# Altium PCB LM_002_TEST.PcbDoc
Units mil, origin at the board's own origin, x right, y up, seen from the top; angles counter-clockwise.
Board outline 4200 x 3600 mil, 2 copper layers (Top Layer, Bottom Layer); 17 components, 22 nets, 148 pads, 0 vias.
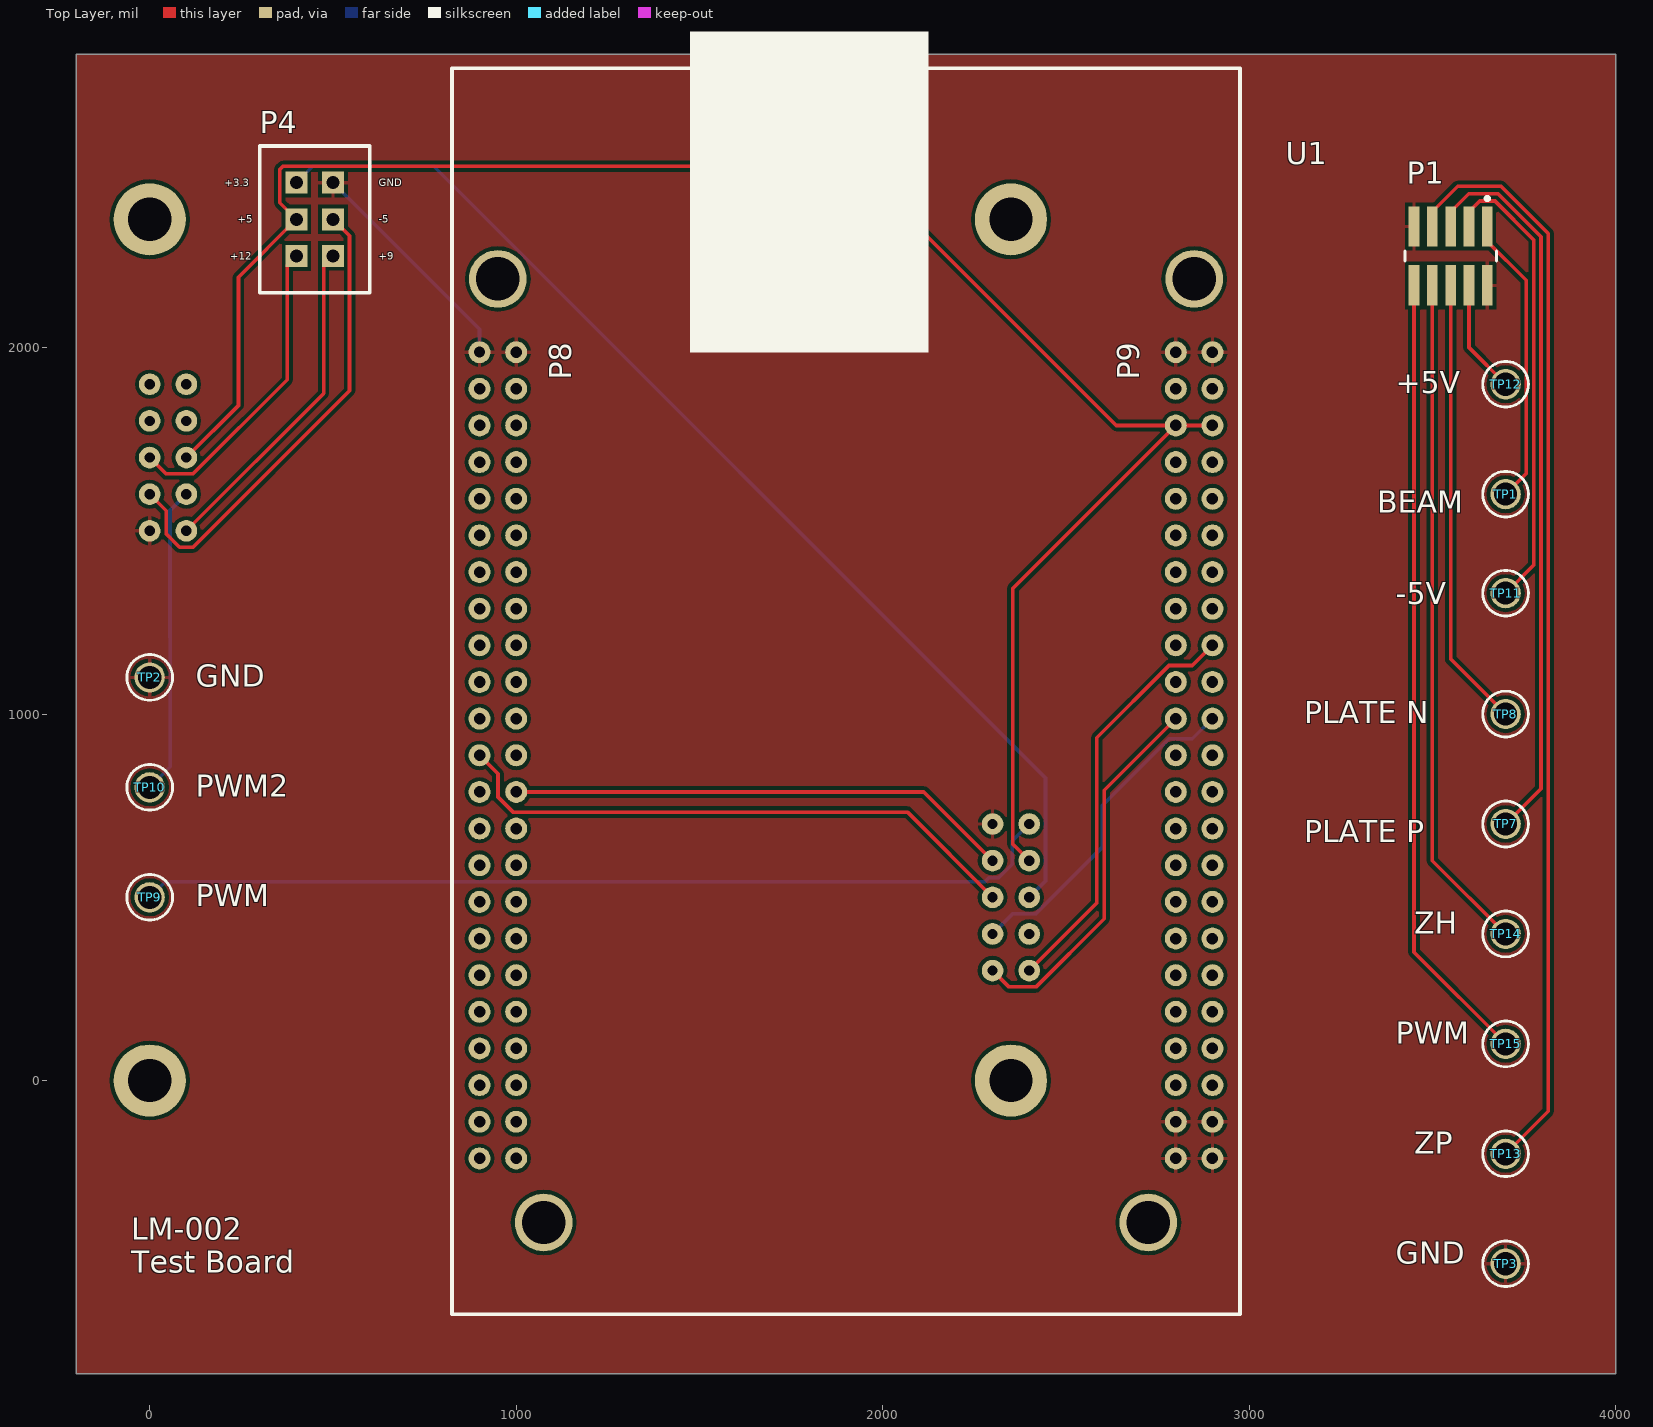
[diagram p0: Top Layer view]
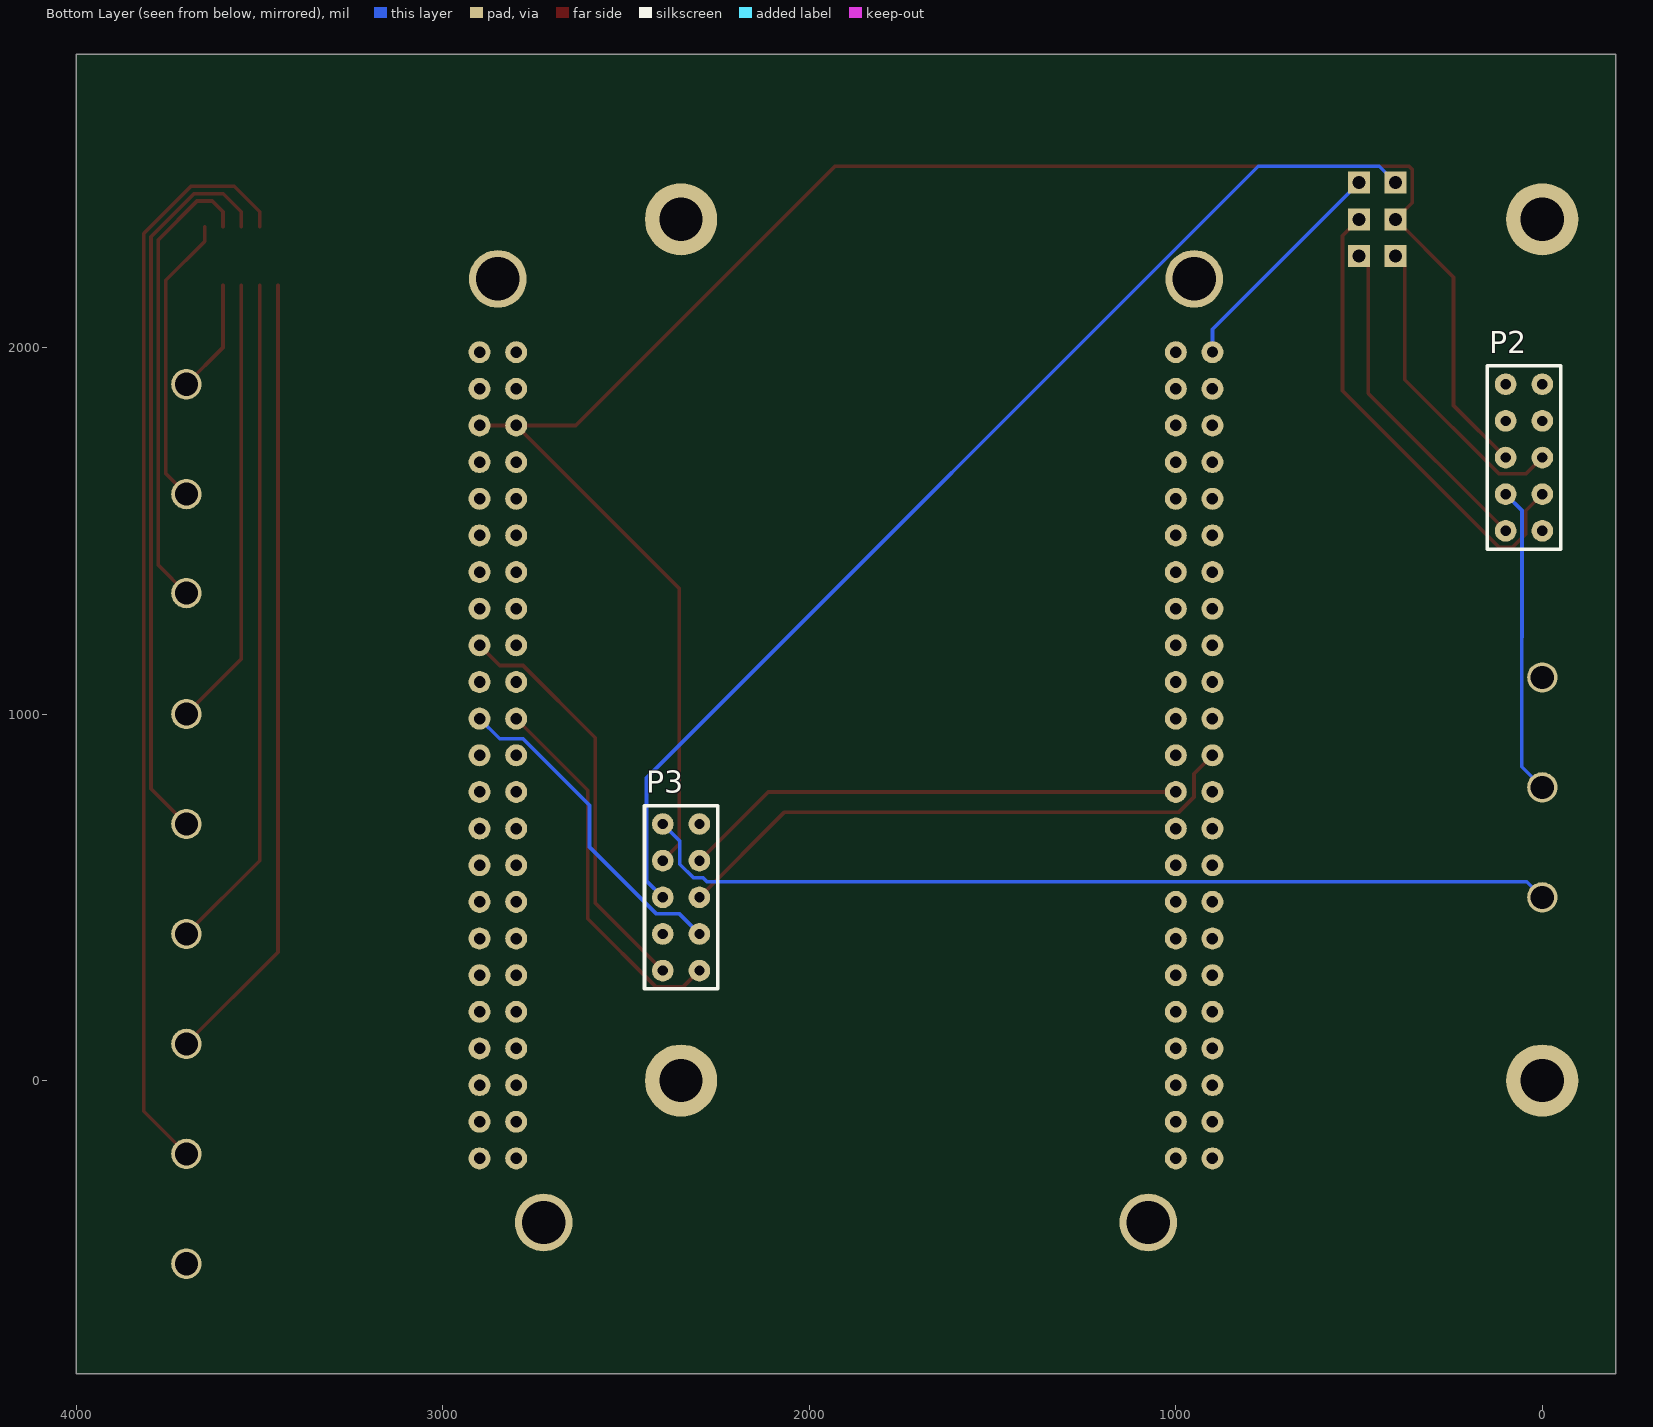
[diagram p1: Bottom Layer view, seen from below]

## Layer stack, top to bottom
Top Solder: solder mask 0.4, Solder Resist, Dk 3.5
Top Layer: signal copper 1.4
Dielectric 1: dielectric 12.6, FR-4, Dk 4.8
Bottom Layer: signal copper 1.4
Bottom Solder: solder mask 0.4, Solder Resist, Dk 3.5

## Board outline
-200,-800 4000,-800 4000,2800 -200,2800

## Design rules (kind name [scope] priority, off if disabled: settings)
Clearance [All] p1: gap=10 ignorepadtopadclearanceinfootprint=FALSE except(0: Arc-Hole Track-Hole SMDPad-Hole THPad-Hole Via-Hole Fill-Hole Poly-Hole Region-Hole Text-Hole)
HoleSize [All] p1: absolutevalues=TRUE maxlimit=500 minlimit=1 maxpercent=80.000 minpercent=20.000
PolygonConnect [All] p1: connectstyle=Relief reliefconductorwidth=10 reliefentries=4 polygonreliefangle="90 Angle" airgapwidth=10
RoutingVias [All] p1: holewidth=28 width=50 viastyle="Through Hole" minholewidth=28 minwidth=50 maxholewidth=28 maxwidth=50
SolderMaskExpansion [All] p1: expansion=4
Width [All] p1: maxlimit=10 minlimit=10 preferedwidth=10
29 further rules are at their usual default settings.

## Classes and differential pairs
component class Connectors: P1 P2 P3 P4 TP1 TP2 TP3 TP7 TP8 TP9 TP10 TP11 TP12 TP13 TP14 TP15
component class BBB: U1

## Components (designator, comment, footprint, x,y, rotation, side; value= is the part's Value field where it differs from the comment)
P1 "FTSH-105-01-F-DV-K" SMTC-FTSH-105-01-L-DV-K_V 3550,2250 r180 top
P2 "SLW-105-01-G-D" SLW-105-01-G-D 100,1900 r270 bottom
P3 "SLW-105-01-G-D" SLW-105-01-G-D 2400,700 r270 bottom
P4 "IPL1-103-01-F-D" IPL1-103-01-F-D 500,2250 r90 top
TP1 "5011" KSTN-5011_V 3700,1600 r0 top
TP2 "5011" KSTN-5011_V 0,1100 r0 top
TP3 "5011" KSTN-5011_V 3700,-500 r0 top
TP7 "5011" KSTN-5011_V 3700,700 r0 top
TP8 "5011" KSTN-5011_V 3700,1000 r0 top
TP9 "5011" KSTN-5011_V 0,500 r0 top
TP10 "5011" KSTN-5011_V 0,800 r0 top
TP11 "5011" KSTN-5011_V 3700,1330 r0 top
TP12 "5011" KSTN-5011_V 3700,1900 r0 top
TP13 "5011" KSTN-5011_V 3700,-200 r0 top
TP14 "5011" KSTN-5011_V 3700,400 r0 top
TP15 "5011" KSTN-5011_V 3700,100 r0 top
U1 "BBB" "Beaglebone Black" 1900,900 r0 top

## Footprints (in the part's own frame and the unit in brackets; to place one, negate y for a bottom-side part, rotate by r counter-clockwise, add the part's x,y. Pads: shape width x height; smd on the part's side, far side on the other; paste and mask are expansions set on the pad)
"Beaglebone Black" [mil]
  round 60 hole 31.5: 8-1(-900,1087.5) 8-3(-900,987.5) 8-4(-1000,987.5) 8-5(-900,887.5) 8-6(-1000,887.5) 8-7(-900,787.5) 8-8(-1000,787.5) 8-9(-900,687.5) 8-10(-1000,687.5) 8-11(-900,587.5) 8-12(-1000,587.5) 8-13(-900,487.5) 8-14(-1000,487.5) 8-15(-900,387.5) 8-16(-1000,387.5) 8-17(-900,287.5) 8-18(-1000,287.5) 8-19(-900,187.5) 8-20(-1000,187.5) 8-21(-900,87.5) 8-22(-1000,87.5) 8-23(-900,-12.5) 8-24(-1000,-12.5) 8-25(-900,-112.5) 8-26(-1000,-112.5) 8-27(-900,-212.5) 8-28(-1000,-212.5) 8-29(-900,-312.5) 8-30(-1000,-312.5) 8-31(-900,-412.5) 8-32(-1000,-412.5) 8-33(-900,-512.5) 8-34(-1000,-512.5) 8-35(-900,-612.5) 8-36(-1000,-612.5) 8-37(-900,-712.5) 8-38(-1000,-712.5) 8-39(-900,-812.5) 8-40(-1000,-812.5) 8-41(-900,-912.5) 8-42(-1000,-912.5) 8-43(-900,-1012.5) 8-44(-1000,-1012.5) 8-45(-900,-1112.5) 8-46(-1000,-1112.5) 9-1(1000,1087.5) 9-2(900,1087.5) 9-3(1000,987.5) 9-4(900,987.5) 9-5(1000,887.5) 9-6(900,887.5) 9-7(1000,787.5) 9-8(900,787.5) 9-9(1000,687.5) 9-10(900,687.5) 9-11(1000,587.5) 9-12(900,587.5) 9-13(1000,487.5) 9-14(900,487.5) 9-15(1000,387.5) 9-16(900,387.5) 9-17(1000,287.5) 9-18(900,287.5) 9-19(1000,187.5) 9-20(900,187.5) 9-21(1000,87.5) 9-22(900,87.5) 9-23(1000,-12.5) 9-24(900,-12.5) 9-25(1000,-112.5) 9-26(900,-112.5) 9-27(1000,-212.5) 9-28(900,-212.5) 9-29(1000,-312.5) 9-30(900,-312.5) 9-31(1000,-412.5) 9-32(900,-412.5) 9-33(1000,-512.5) 9-34(900,-512.5) 9-35(1000,-612.5) 9-36(900,-612.5) 9-37(1000,-712.5) 9-38(900,-712.5) 9-39(1000,-812.5) 9-40(900,-812.5) 9-41(1000,-912.5) 9-42(900,-912.5) 9-43(1000,-1012.5) 9-44(900,-1012.5) 9-45(1000,-1112.5) 9-46(900,-1112.5)
  round 60 hole 30 paste+0: 8-2(-1000,1087.5)
  round 157.48 hole 118.11 paste+0: ""(-950,1287.5)
  round 157.48 hole 118.11: ""(-825,-1287.5) ""(825,-1287.5) ""(950,1287.5)
  silkscreen extent -1075,-1538 1075,1962, body extent -1078,-1599 1074,1962, height 493
IPL1-103-01-F-D [mil]
  rect 60x60 hole 35.43: 1(0,0) 2(0,100) 3(100,0) 4(100,100) 5(200,0) 6(200,100)
  silkscreen extent -100,-100 300,200, body extent -100,-100 280,210, height 320
KSTN-5011_V [mm] "Test Point, Dia 3.17mm"
  round 2.1 hole 1.6: 1(0,0)
  silkscreen extent -1.59,-1.58 1.59,1.58, body extent -1.59,-1.59 1.59,1.59, height 8.13
SLW-105-01-G-D [mm]
  round 1.5 hole 0.71: 1(0,0) 2(0,2.54) 3(2.54,0) 4(2.54,2.54) 5(5.08,0) 6(5.08,2.54) 7(7.62,0) 8(7.62,2.54) 9(10.16,0) 10(10.16,2.54)
  silkscreen extent -1.27,-1.27 11.43,3.81, body extent -1.27,-1.27 11.43,3.68, height 4.57
SMTC-FTSH-105-01-L-DV-K_V [mm] "CONN, 10-Leads, Body 6.35x3.43mm, Pitch 1.27mm"
  rect 0.74x2.79 smd: 1(-2.54,-2.035) 2(-2.54,2.035) 3(-1.27,-2.035) 4(-1.27,2.035) 5(0,-2.035) 6(0,2.035) 7(1.27,-2.035) 8(1.27,2.035) 9(2.54,-2.035) 10(2.54,2.035)
  silkscreen extent -3.17,-4.1 3.17,0.34, body extent -3.17,-2.92 3.18,2.92, height 6.12

## Part data
P1: library part CMP-2000-05352-1, "Male Header, Pitch 1.27 mm, 2 x 5 Position, Height 6.12 mm, RoHS, Tube", Color=Black, Manufacturer=Samtec, Package Description="Male Header, Pitch 1.27 mm, 2 x 5 Position, Height 5.97 mm, Tail Length 4.32 mm", Package Reference=FTSH-105-01-L-DV-K, Category=Connectors,Interconnects, Connector Type=Header,Shrouded, Contact Finish=Gold, Contact Finish Thickness=3µin(0.08µm), Contact Type=MalePin, Datasheet URL=http://suddendocs.samtec.com/prints/ftsh-1xx-xx-xxx-dv-xxx-mkt.pdf, Datasheet Version="Rev. ET, 10/1995", Family=RectangularConnectors-Headers,MalePins, Fastening Type=-, Features=-, Manufacturer URL=http://www.samtec.com/, Mounting Type=SurfaceMount, Number of Positions=10, Number of Positions Loaded=All, Number of Rows=2, Package URL=http://suddendocs.samtec.com/prints/ftsh-1xx-xx-xxx-dv-xxx-footprint.pdf, Packaging=Tube, Series=FTSH, Termination=Solder
P2 P3: "CONN RCPT .100\" 10POS DUAL GOLD", Current Rating=-, Insulation Color=Black, Manufacturer="Samtec Inc.", Operating Temperature="-55°C ~ 125°C", Supplier Part Number 1=SAM1088-05-ND, Applications=-, Category="Connectors, Interconnects", ComponentLink1Description=http://suddendocs.samtec.com/prints/slw-1xx-01-x-x-mkt.pdf, ComponentLink1URL=http://suddendocs.samtec.com/prints/slw-1xx-01-x-x-mkt.pdf, Connector Type=Receptacle, Contact Finish - Mating=Gold, Contact Finish - Post=Gold, Contact Finish Thickness - Mating="20µin (0.51µm)", Contact Finish Thickness - Post="3µin (0.08µm)", Contact Length - Post="0.115\" (2.92mm)", Contact Material="Phosphor Bronze", Contact Shape=Square, Contact Type=Forked, Fastening Type=Push-Pull, Features=-, Ingress Protection=-, Insulation Height="0.180\" (4.57mm)", Insulation Material="Polyester, Glass Filled", Manufacturer Part Number=SLW-105-01-G-D, Mated Stacking Heights=6.09mm, Material Flammability Rating=-, Mounting Type="Through Hole", Number of Positions=10, Number of Positions Loaded=All, Packaging=Bulk, Part Status=Active, Pitch - Mating="0.100\" (2.54mm)", Pricing 1="1=3.8, 10=3.401, 100=2.8012, 500=2.2143, 1000=1.90084, 5000=1.7341, 10000=1.6674 (USD)", RoHS="RoHS Compliant", Row Spacing - Mating="0.100\" (2.54mm)", Stock 1=203, Style="Board to Board", Supplier 1=Digi-Key, Termination=Solder, Voltage Rating=-
P4: Supplier Part Number 1=51P2678, Supplier 1=Newark
TP1 TP2 TP3 TP7 TP8 TP9 TP10 TP11 TP12 TP13 TP14 TP15: library part CMP-1672-00003-4, "Test Point, Black, Through Hole, RoHS, Bulk", Colour=Black, Manufacturer=Keystone, Package Quantity=100, ComponentLink1Description="Manufacturer URL", ComponentLink1URL=http://www.keyelco.com/, ComponentLink2Description=Datasheet, ComponentLink2URL=http://www.keyelco.com/product-pdf.cfm?p=1320, Contact Material=Bronze, Contact Plating=Silver, DatasheetVersion="Rev. F, 12/2013", Height="8.12 mm", Mount="Through Hole", Mounting Technology="Through Hole", PackageDescription="1-Pin Through Hole Device, Dia 3.17 mm", PackageReference=5011, Packaging=Bulk, Pins=1, REACH SVHC="No SVHC", RoHSCompliant=true
U1: library part Beaglebone_Black, "Beaglebone Black", Current Rating=-, Insulation Color=Black, Manufacturer="Molex, LLC", Manufacturer Part Number=0010897462, Material Flammability Rating="UL94 V-0", Supplier Part Number 1=WM50012-46-ND, Applications="Automotive, General Purpose, Lighting, Medical, Telecommunications", Category="Connectors, Interconnects", ComponentLink1Description=http://www.molex.com/pdm_docs/sd/010897041_sd.pdf, ComponentLink1URL=http://www.molex.com/pdm_docs/sd/010897041_sd.pdf, Connector Type="Header, Breakaway", Contact Finish - Mating=Gold, Contact Finish - Post=Tin, Contact Finish Thickness - Mating="15µin (0.38µm)", Contact Finish Thickness - Post="74.8µin (1.90µm)", Contact Length - Mating="0.240\" (6.10mm)", Contact Length - Post="0.107\" (2.71mm)", Contact Material="Copper Alloy", Contact Shape=Square, Contact Type="Male Pin", Fastening Type=-, Features=-, Ingress Protection=-, Insulation Height="0.090\" (2.29mm)", Insulation Material="Liquid Crystal Polymer (LCP), Glass Filled", Mated Stacking Heights=-, Mounting Type="Through Hole", Number of Positions=46, Number of Positions Loaded=All, Number of Rows=2, Operating Temperature=-, Overall Contact Length="0.437\" (11.10mm)", Packaging=Bulk, Part Status=Active, Pitch - Mating="0.100\" (2.54mm)", Pricing 1="1=7.65, 10=7.336, 25=6.698, 50=6.379, 100=6.0601, 250=5.4222, 500=5.10324 (USD)", RoHS="RoHS Compliant", Row Spacing - Mating="0.100\" (2.54mm)", Shrouding=Unshrouded, Stock 1=407, Style="Board to Board or Cable", Supplier 1=Digi-Key, Termination=Solder, Voltage Rating=-

## Free pads (board coordinates)
  round 196.85 hole 118.11: ""(0,0) ""(0,2350) ""(2350,0) ""(2350,2350)

## Nets (pads, with @x,y where several pads share a name; then routed paths per layer and width w, separated by ;. In a path a pad name is that pad's centre, name@x,y a point inside that pad or via, vN(x,y) a via of type N, cw(c..) or ccw(c..) an arc to the next point about the centre after c; other vN are vias at no path point)
+3.3: P3.5 P4.6 | length 3098.7
  Bottom Layer w10: P4.6 445,2495 775.07,2495 2444.53,825.54 2444.53,544.53 P3.5
+5: P2.5 P3.3 P4.4 U1.9-5 U1.9-6 | length 5160.9
  Top Layer w10: P2.5 242.19,1842.19 242.19,2192.19 P4.4 355,2395 355,2486.21 363.79,2495 1930,2495 2637.5,1787.5 U1.9-6 ; P3.3 2355.47,644.53 2355.47,1342.97 U1.9-6 ; U1.9-5 U1.9-6
+5_CT: P1.4 TP12.1 | length 311.3
  Top Layer w10: P1.4 3600,2000 TP12.1
+9: P2.9 P4.1 | length 915.7
  Top Layer w10: P2.9 475,1875 475,2225 P4.1
+12: P2.6 P4.2 | length 848
  Top Layer w10: P2.6 44.53,1655.47 118.44,1655.47 375,1912.03 375,2225 P4.2
-5: P2.8 P4.3 | length 1305
  Top Layer w10: P2.8 45.47,1554.53 45.47,1491.56 81.56,1455.47 118.44,1455.47 545,1882.03 545,2305 P4.3
-5_CT: P1.3 TP11.1 | length 1269
  Top Layer w10: P1.3 3600,2370.47 3620.43,2390.91 3620.43,2391.25 3629.22,2400.04 3670.78,2400.04 3776.34,2294.48 3776.34,1406.34 TP11.1
A0: P3.6 U1.8-24 | length 1597.8
  Top Layer w10: U1.8-24 950.46,837.04 950.46,773.4 991.36,732.5 2067.5,732.5 P3.6
A1: P3.4 U1.8-25 | length 1377.7
  Top Layer w10: U1.8-25 2112.5,787.5 P3.4
BEAM: P1.1 TP1.1 | length 797.5
  Top Layer w10: P1.1 3650,2289.76 3756.34,2183.43 3756.34,1656.34 TP1.1
GND: P1.2 P1.9 P2.10 P3.2 P4.5 TP2.1 TP3.1 U1.8-1 U1.8-2 U1.9-1 U1.9-2 U1.9-43 U1.9-44 U1.9-45 U1.9-46 | length 628.2
  Bottom Layer w10: P4.5 900,2050 U1.8-2
NetP3_9: P3.9 U1.9-17 | length 1131.9
  Top Layer w10: P3.9 2584.44,484.44 2584.44,935.58 2781.36,1132.5 2845,1132.5 U1.9-17
PLATE_N: P1.6 TP8.1 | length 1232
  Top Layer w10: P1.6 3550,1150 TP8.1
PLATE_P: P1.5 TP7.1 | length 1998.7
  Top Layer w10: P1.5 3550,2370.47 3570.43,2390.91 3570.43,2391.25 3599.22,2420.04 3679.06,2420.04 3796.34,2302.76 3796.34,796.34 TP7.1
PWM: P3.1 TP9.1 | length 2519.7
  Bottom Layer w10: TP9.1 42.5,542.5 2279.53,542.5 2290.23,553.2 2316.18,553.2 2353.39,590.42 2353.39,653.39 P3.1
PWM2: P2.7 TP10.1 | length 842.1
  Bottom Layer w10: TP10.1 56.34,856.34 56.34,1208.67 55.47,1209.53 55.47,1555.47 P2.7
PWM_CT: P1.10 TP15.1 | length 2173.4
  Top Layer w10: P1.10 3450,350 TP15.1
SPI0_MISO: P3.8 U1.9-21 | length 910.2
  Bottom Layer w10: P3.8 2355.47,455.47 2418.44,455.47 2599.9,636.93 2599.9,751.04 2781.36,932.5 2845,932.5 U1.9-21
SPI0_SCLK: P3.10 U1.9-22 | length 1027
  Top Layer w10: P3.10 2344.53,255.47 2418.44,255.47 2604.44,441.47 2604.44,791.94 U1.9-22
ZH: P3.7
ZH_CT: P1.8 TP14.1 | length 1852.7
  Top Layer w10: P1.8 3500,600 TP14.1
ZP_CT: P1.7 TP13.1 | length 2998.4
  Top Layer w10: P1.7 3500,2370.47 3520.43,2390.91 3520.43,2391.25 3569.22,2440.04 3687.35,2440.04 3816.34,2311.05 3816.34,-83.66 TP13.1
pads on no net: P2.1 P2.2 P2.3 P2.4 U1. U1.8-3 U1.8-4 U1.8-5 U1.8-6 U1.8-7 U1.8-8 U1.8-9 U1.8-10 U1.8-11 U1.8-12 U1.8-13 U1.8-14 U1.8-15 U1.8-16 U1.8-17 U1.8-18 U1.8-19 U1.8-20 U1.8-21 U1.8-22 U1.8-23 U1.8-26 U1.8-27 U1.8-28 U1.8-29 U1.8-30 U1.8-31 U1.8-32 U1.8-33 U1.8-34 U1.8-35 U1.8-36 U1.8-37 U1.8-38 U1.8-39 U1.8-40 U1.8-41 U1.8-42 U1.8-43 U1.8-44 U1.8-45 U1.8-46 U1.9-3 U1.9-4 U1.9-7 U1.9-8 U1.9-9 U1.9-10 U1.9-11 U1.9-12 U1.9-13 U1.9-14 U1.9-15 U1.9-16 U1.9-18 U1.9-19 U1.9-20 U1.9-23 U1.9-24 U1.9-25 U1.9-26 U1.9-27 U1.9-28 U1.9-29 U1.9-30 U1.9-31 U1.9-32 U1.9-33 U1.9-34 U1.9-35 U1.9-36 U1.9-37 U1.9-38 U1.9-39 U1.9-40 U1.9-41 U1.9-42

## Polygon pours and split planes (outlines as drawn)
GND on Top Layer "GND" (solid, pour order 0): -200,2800 -200,-800 4000,-800 4000,2800

## Silkscreen, mask and mechanical layers (free items; w line width, h text height)
Top Overlay:
  text "+3.3" at 205,2440 h20
  text "GND" at 625,2440 h20
  text "+5" at 240,2340 h20
  text "-5" at 625,2340 h20
  text "+12" at 220,2240 h20
  text "+9" at 625,2240 h20
  text "+5V" at 3400,1875 h60
  text "BEAM" at 3350,1550 h60
  text "-5V" at 3400,1300 h60
  text "GND" at 125,1075 h60
  text "PLATE N" at 3150,975 h60
  text "PWM2" at 125,775 h60
  text "PLATE P" at 3150,650 h60
  text "PWM" at 125,475 h60
  text "ZH" at 3450,400 h60
  text "PWM" at 3400,100 h60
  text "ZP" at 3450,-200 h60
  text "GND" at 3400,-500 h60
  text "LM-002  / Test Board" at -50,-525 h60

## Dimensions
2300,300 to 0,1500 on Mechanical 1
2350,0 to 0,0 on Mechanical 1
4000,-800 to -200,-800 on Mechanical 1
2350,0 to 2400,300 on Mechanical 1
0,0 to 0,1500 on Mechanical 1
0,0 to 0,2350 on Mechanical 1